# KiCad board panel.kicad_pcb (continued)
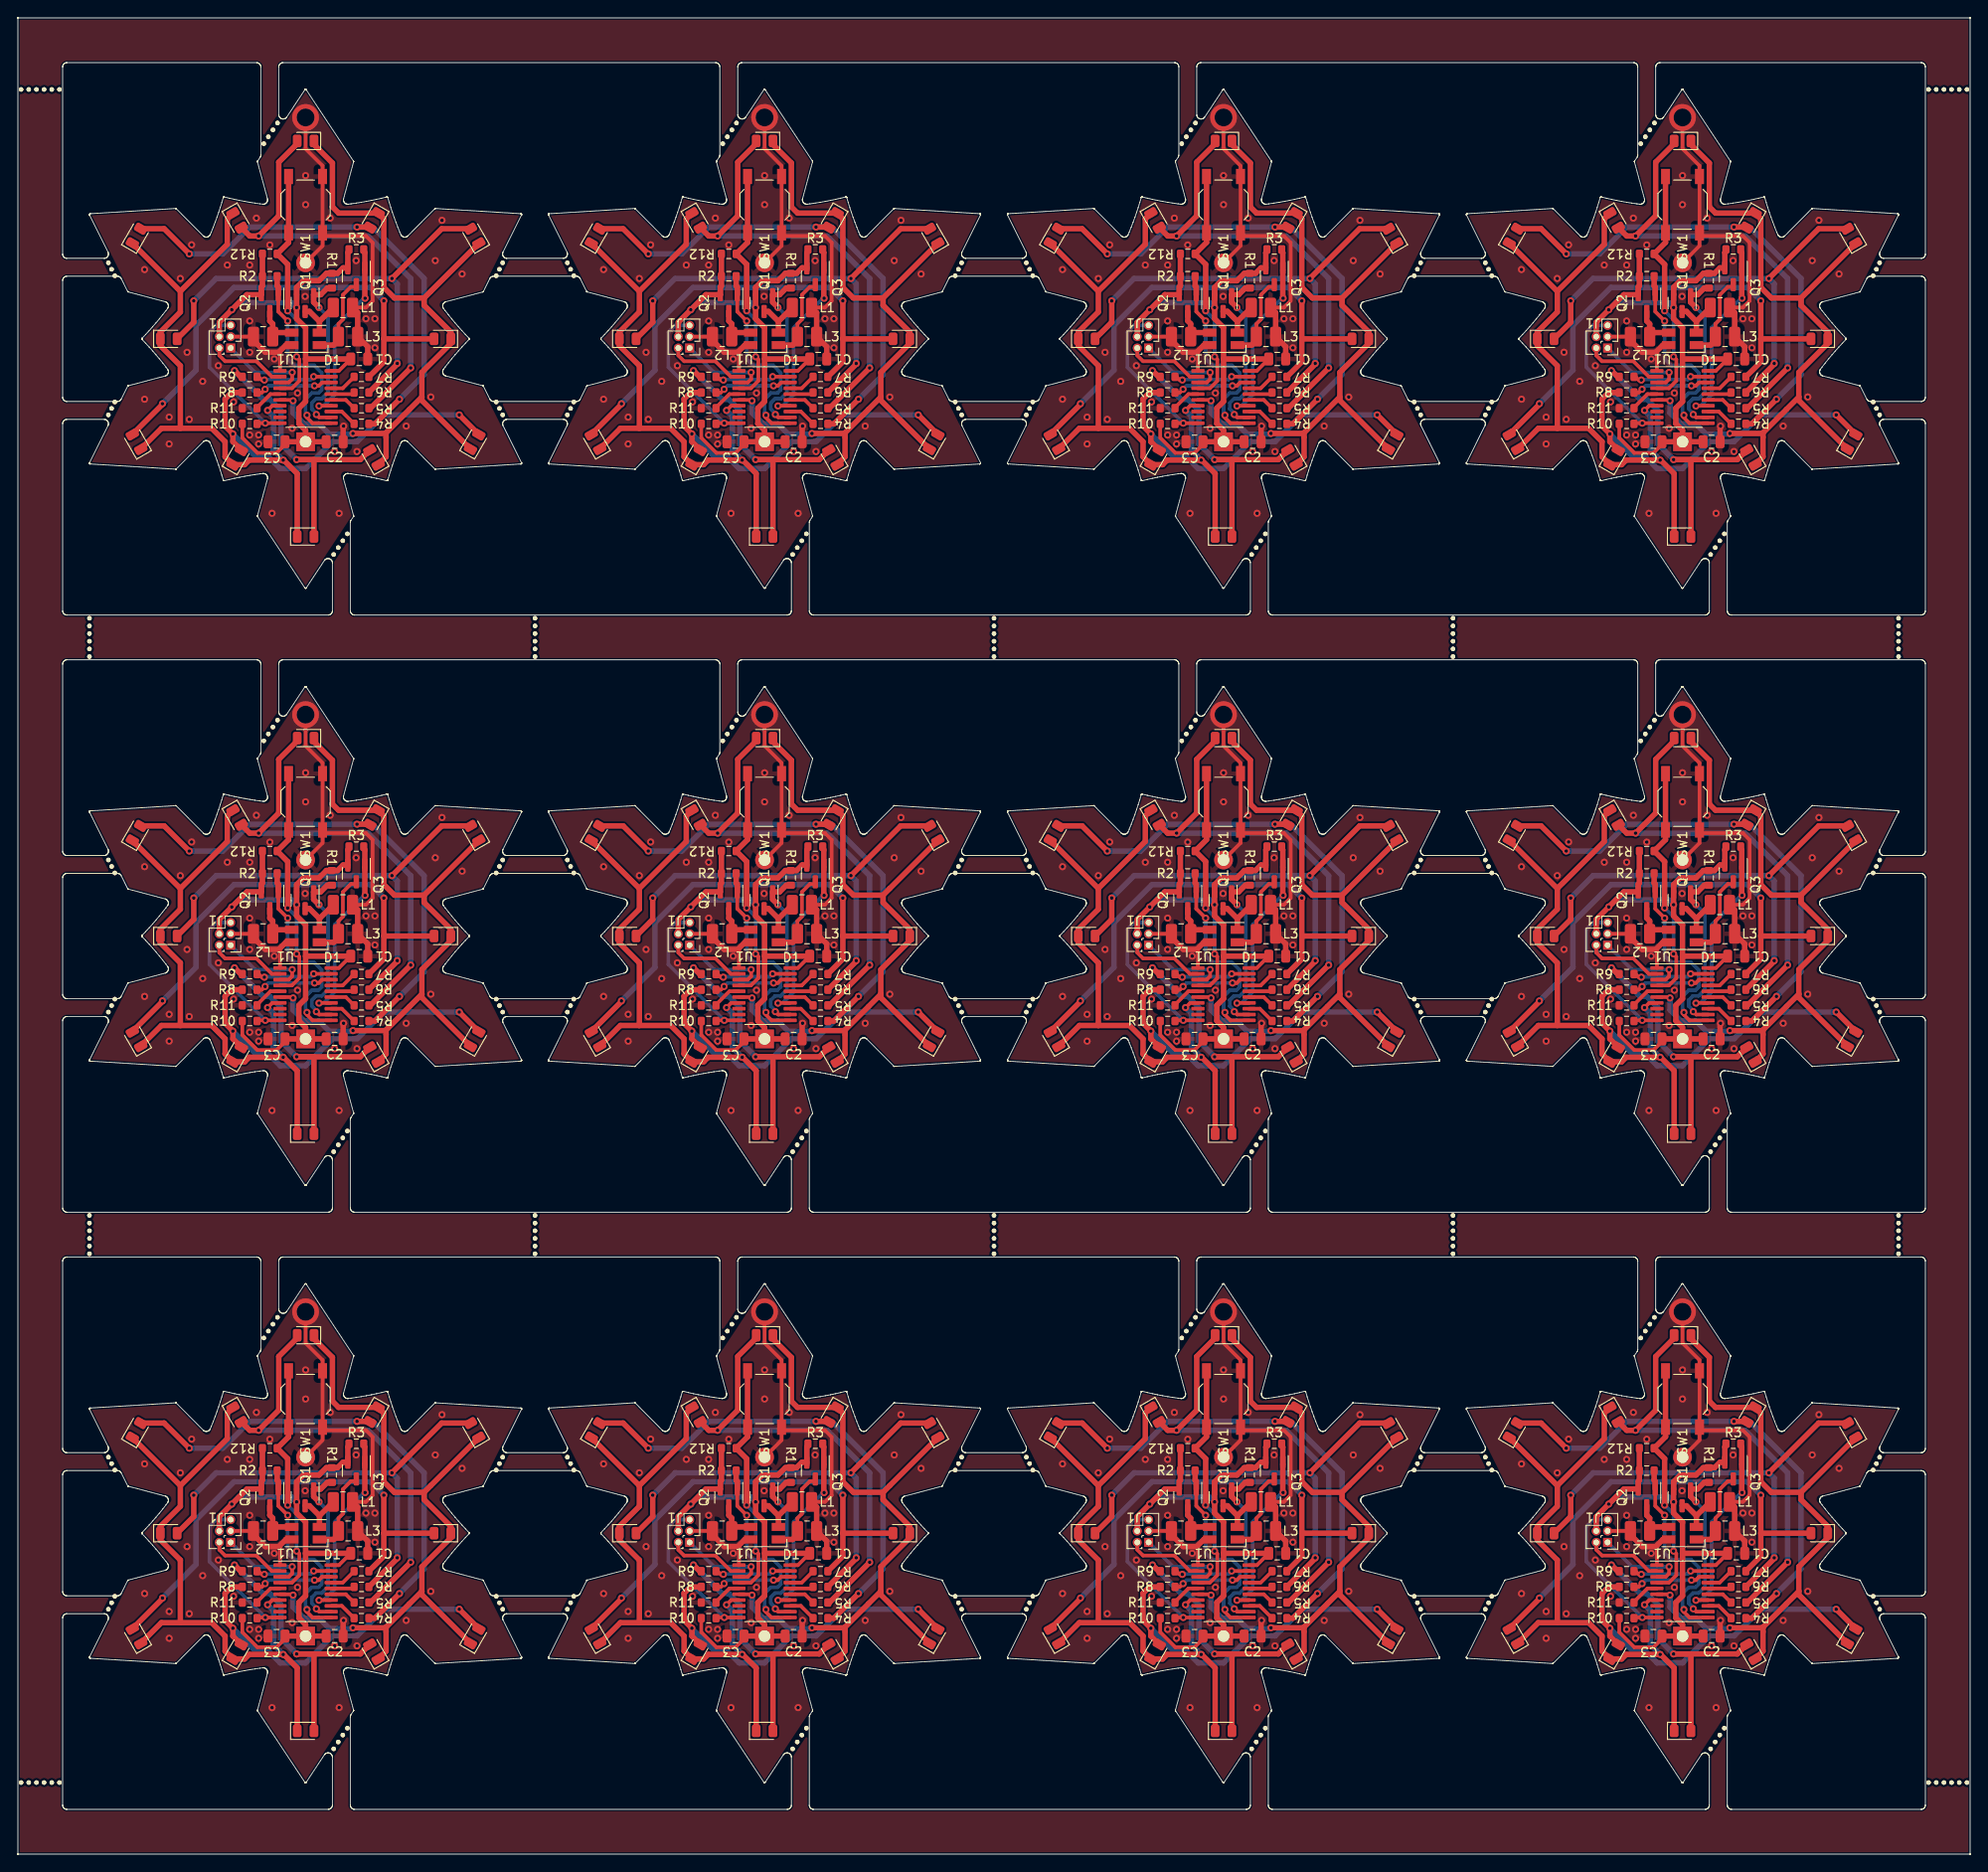
[diagram p0: board, top side]
## Routing (per net, layer and track width the routed paths; a pad name or vN(x,y) marks a point on that pad's centre or on a via; arc(x,y) is an arc through that point) (continued)
  Bottom w0.406: v1(84.97,39.38) 85.97,38.38 85.97,29.88 85.28,29.18 84.64,29.18 84.17,28.71 84.17,28.04 84.68,27.53 v1(84.68,27.42)
Board_9-/G: length 21.3
  Top w0.406: U1#8.14 85,28.4 v1(84.97,28.38) ; 90.04,43.63 90.1,43.56
  Top w0.61: v1(90.13,40.42) 90.1,40.45 90.1,45.5 89.97,45.63
  Bottom w0.406: v1(84.97,28.38) 85.47,28.38 86.72,29.63 86.72,37.13 90.02,40.42 v1(90.13,40.42)
Board_9-/L1: length 3.1
  Top w0.406: R4#2.2 87.52,27.75 U1#8.13
Board_9-/L2: length 2.9
  Top w0.406: R5#7.2 87.97,29.05 U1#8.15
Board_9-/L3: length 2.6
  Top w0.406: R6#11.2 88.72,29.7 U1#8.16
Board_9-/L4: length 3.1
  Top w0.406: R7#12.2 87.62,30.35 U1#8.17
Board_9-/L5: length 8.8
  Top w0.406: v1(78.95,30.24) 78.59,29.88 R8#6.2 ; v1(84.47,30.63) 84.95,30.63 85.32,31 U1#8.18
  Bottom w0.406: v1(84.47,30.63) 79.34,30.63 v1(78.95,30.24)
Board_9-/L6: length 8.6
  Top w0.406: U1#8.19 84.38,31.65 v1(84.38,31.65) ; v1(78.87,31.27) 78.58,31.27 78.22,31.63 R9#4.2
  Bottom w0.406: v1(78.87,31.27) 78.91,31.32 84.05,31.32 v1(84.38,31.65)
Board_9-/MPX1: length 81.4
  Top w0.406: U1#8.6 81.98,29.05 v1(82.07,28.96)
  Top w0.61: v1(88.77,25.3) 92.4,25.3 92.47,25.38 ; 96.72,40.44 93.4,40.44 92.22,41.63 92.22,49.31 D3#2.1 87.16,49.94 86.47,50.63 86.47,55.53 84.41,57.59 D5#2.1 ; 96.72,40.44 D7#3.1 ; 96.72,40.44 96.72,39.63 99.71,36.64 D9#11.1 99.71,35.36 96.47,32.13 96.47,29.38 ; 92.47,25.38 96.47,29.38 ; 92.47,25.38 92.47,22.69 D13#9.1 ; 96.47,29.38 96.47,28.99 D11#12.1
  Bottom w0.61: v1(82.07,28.96) 82.07,27.61 83.31,26.38 84.97,26.38 86.13,25.22 88.69,25.22 v1(88.77,25.3)
Board_9-/MPX2: length 72.8
  Top w0.406: v1(79.22,27.88) 79.75,28.4 U1#8.7
  Top w0.61: 69.47,41.19 74.72,46.44 74.72,49.31 D4#12.1 ; 69.47,41.19 69.47,38.88 67.24,36.64 D6#3.1 67.24,35.11 69.47,32.88 69.47,25.88 ; 69.47,41.19 D2#12.1 ; 69.47,25.88 72.97,25.88 74.47,24.38 74.47,22.69 D10#8.1 76.66,21.81 77.17,22.32 v1(80.97,22.32) 81.03,22.32 82.54,20.81 D12.1 ; 69.47,25.88 67.35,25.88 D8#12.1
  Bottom w0.61: v1(80.97,22.32) 79.88,23.42 79.88,27.22 v1(79.22,27.88)
Board_9-/nRST: length 18
  Top w0.406: R10#2.2 78.12,26.45 U1#8.10
  Bottom w0.406: v1(78.97,26.45) 72.72,32.7 72.72,36.63 73.49,37.39 J1.5
Board_9-/R: length 23.4
  Top w0.406: Q2#10.1 80.42,38.93 v1(81.47,37.88) ; v1(83.63,27.34) 83.63,27.07 84.25,26.45 U1#8.11
  Top w0.61: Q2#10.1 80.42,41.68 80.3,41.8 R2#8.2
  Bottom w0.406: v1(83.63,27.34) 83.63,27.5 83.47,27.65 83.47,29.13 84.17,29.82 84.92,29.82 85.28,30.18 85.28,32.07 84.42,32.93 82.17,32.93 81.47,33.63 v1(81.47,37.88)
Board_9-/SWC: length 10.3
  Top w0.406: v1(81.97,32.13) 81.97,31.38 81.6,31 U1#8.3
  Bottom w0.406: J1.1 77.82,32.13 v1(81.97,32.13)
Board_9-/SWD: length 8.6
  Top w0.406: J1.2 73.83,34.02 74.47,33.38 77.97,33.38 79.7,31.65 U1#8.2
Board_9-GND: length 51.4
  Top w0.406: v2(83.47,60.63) 83.47,57.13 85.37,55.23 SW1#12.2 SW1#12.2 ; 80.47,34.38 80.61,34.24 U1#8.1 ; SW1#12.2 85.37,46.28 BT1.2 ; SW1#12.2 85.72,47.38 90.22,47.38 90.97,46.63 90.97,40.13 90.22,39.38 L1#9.2 ; J1.3 77.64,36.12 L2#9.2
  Top w0.61: L1#9.2 89.3,38.8 L3#4.2 90.42,35 C1#3.1 ; L2#9.2 77.65,35.7 78.97,34.38 80.47,34.38 81.27,35.18 D1#9.1 ; v1(87.72,26.13) 87.67,26.08 C2#9.2
  vias: v1(65.47,43.63) v1(65.47,29.13) v1(68.22,27.13) v1(68.22,24.13) v1(69.47,42.63) v1(70.22,34.38) v1(70.47,26.88) v1(70.74,46.39) v1(71.97,31.13) v1(73.72,32.88) v1(74.72,44.13) v1(75.42,28.83) v1(77.22,44.13) v1(77.22,37.88) v1(77.22,34.38) v1(77.22,25.13) v1(77.97,49.38) v1(78.22,25.13) v1(78.22,24.13) v1(79.47,46.38) v1(79.72,16.38) v1(79.97,33.63) v1(81.97,25.88) v1(82.57,29.82) v1(83.42,40.63) v1(83.47,54.13) v1(83.47,50.88) v1(86.22,49.38) v1(86.72,23.28) v1(87.22,16.38) v1(89.12,44.63) v1(89.22,23.28) v1(90.22,38.13) v1(91.22,38.13) v1(91.22,34.88) v1(94.72,26.13) v1(97.47,29.38) v1(97.97,44.63) v1(98.72,49.13) v1(100.97,43.13)
Board_9-Net-(D1-BK): length 5.5
  Top w0.61: 85.02,37.83 83.91,38.94 Q1#5.3 ; 85.02,37.83 L1#9.1 ; 85.02,37.83 D1#9.4
Board_9-Net-(D1-GK): length 9.5
  Top w0.406: L3#4.1 87.15,37.55 87.65,38.05 87.65,40.8 88.54,41.69 89.15,41.69
  Top w0.61: L3#4.1 87.15,35.71 86.61,35.18 D1#9.3
Board_9-Net-(D1-RK): length 5.3
  Top w0.61: Q2#10.3 79.47,37.88 79.8,37.55 L2#9.1 80.25,36.58 D1#9.2
Board_9-Net-(D2-A): length 57
  Top w0.61: v1(93.97,29.13) 91.22,26.38 R4#2.1 ; v1(89.22,48.38) 90.59,48.38 D3#2.2 ; D2#12.2 67.66,48.19 v1(70.47,45.38)
  Bottom w0.61: v1(70.47,45.38) 74.22,45.38 77.22,48.38 v1(89.22,48.38) 90.97,48.38 96.72,42.63 96.72,31.88 94.03,29.18
Board_9-Net-(D4-A): length 50.2
  Top w0.61: R5#7.1 90.72,28.13 v1(95.22,32.63) ; D4#12.2 77.23,47.38 v1(78.22,47.38) 80.47,49.63 80.47,55.63 82.54,57.69 D5#2.2
  Bottom w0.61: v1(78.22,47.38) 90.47,47.38 95.22,42.63 v1(95.22,32.63)
Board_9-Net-(D6-A): length 53.6
  Top w0.61: v1(70.97,40.13) 70.97,37.74 D6#3.2 ; R6#11.1 93.72,33.05 v1(93.72,33.13) ; v1(93.13,42.63) 98.69,48.19 D7#3.2
  Bottom w0.61: v1(70.97,40.13) 73.47,42.63 v1(93.13,42.63) 93.72,42.03 v1(93.72,33.13)
Board_9-Net-(D8-A): length 53.3
  Top w0.61: D8#12.2 67.47,28.56 ; R7#12.1 92.22,33.3 92.22,35.88 ; D9#11.2 92.22,35.88 ; 92.22,35.88 v1(92.22,40.13)
  Bottom w0.61: v1(92.22,40.13) 90.72,41.63 75.47,41.63 71.22,37.38 71.22,32.38 v1(67.47,28.63)
Board_9-Net-(D10-A): length 41.2
  Top w0.61: D10#8.2 75.35,24.38 v1(75.35,25.25) 74.47,26.13 74.47,29.15 75.19,29.88 R8#6.1 ; v1(100.65,27.38) D11#12.2
  Bottom w0.61: v1(100.65,27.38) 92.22,27.38 89.24,24.4 86.49,24.4 83.47,21.38 80.64,21.38 79.39,22.63 77.97,22.63 v1(75.35,25.25)
Board_9-Net-(D12-A): length 33.6
  Top w0.61: v1(75.52,32.33) 76.22,31.63 R9#4.1 ; D12.2 84.41,22.38 v1(82.47,22.38) 89.59,22.38 D13#9.2
  Bottom w0.61: v1(82.47,22.38) 80.72,24.13 80.72,27.88 79.47,29.13 78.72,29.13 v1(75.52,32.33)
Board_9-Net-(SW1A-A): length 26.9
  Top w0.406: U1#8.4 81.95,30.35 82.78,31.18 82.78,33.57 v1(82.47,33.88)
  Top w0.61: v1(81.47,39.01) 81.47,44.2 R12#9.1 81.57,46.65 SW1#12.1 SW1#12.1
  Bottom w0.406: v1(81.47,39.01) 82.47,38.01 v1(82.47,33.88)
Board_9-Net-(U1-PB6/PF4-BOOT0): length 3.3
  Top w0.406: R11#10.2 78.05,28.2 79.55,29.7 U1#8.5
Board_9-VCC: length 67.1
  Top w0.406: C1#3.2 87.2,32.3 U1#8.20 ; C3#4.1 81.17,24.08 80.22,23.13 78.09,23.13 76.4,24.81 R10#2.1
  Top w0.61: 83.47,33.63 C1#3.2 ; 83.47,33.63 83.47,28.88 82.72,28.13 82.72,26.4 83.47,25.65 BT1.1 ; 83.47,33.63 83.47,37.13 82.47,38.13 Q1#5.2 82.47,41.63 83.22,42.38 84.97,42.38 85.8,43.2 R1#12.1 87.05,43.2 87.66,43.81 Q3#2.2 ; BT1.1 C2#9.1 ; BT1.1 C3#4.1 ; R12#9.2 R2#8.1 78.65,41.8 78.52,41.68 Q2#10.2 76.91,40.81 73.83,37.73 J1.4 ; 88.2,43.56 88.2,45.5 88.32,45.63
  Bottom w0.61: v1(75.22,39.13) 76.01,39.92 81.93,39.92 v1(82.47,39.38)
Board_10-/B: length 19.5
  Top w0.406: U1#10.12 136.31,27.1 v1(135.99,27.42)
  Top w0.61: R1#10.2 137.21,41.55 136.47,40.81 Q1#6.1 135.69,39.98 v1(136.29,39.38)
  Bottom w0.406: v1(135.99,27.42) 135.99,27.53 135.48,28.04 135.48,28.71 135.95,29.18 136.59,29.18 137.29,29.88 137.29,38.38 v1(136.29,39.38)
Board_10-/G: length 21.3
  Top w0.406: v1(136.29,28.38) 136.31,28.4 U1#10.14 ; 141.35,43.63 141.41,43.56
  Top w0.61: v1(141.44,40.42) 141.41,40.45 141.41,45.5 141.29,45.63
  Bottom w0.406: v1(136.29,28.38) 136.79,28.38 138.04,29.63 138.04,37.13 141.33,40.42 v1(141.44,40.42)
Board_10-/L1: length 3.1
  Top w0.406: U1#10.13 138.84,27.75 R4#7.2
Board_10-/L2: length 2.9
  Top w0.406: R5.2 139.29,29.05 U1#10.15
Board_10-/L3: length 2.6
  Top w0.406: R6#3.2 140.04,29.7 U1#10.16
Board_10-/L4: length 3.1
  Top w0.406: U1#10.17 138.94,30.35 R7#2.2
Board_10-/L5: length 8.8
  Top w0.406: U1#10.18 136.64,31 136.26,30.63 v1(135.79,30.63) ; v1(130.26,30.24) 129.9,29.88 R8#3.2
  Bottom w0.406: v1(135.79,30.63) 130.65,30.63 v1(130.26,30.24)
Board_10-/L6: length 8.6
  Top w0.406: U1#10.19 135.69,31.65 v1(135.69,31.65) ; R9#12.2 129.54,31.63 129.89,31.27 v1(130.18,31.27)
  Bottom w0.406: v1(130.18,31.27) 130.23,31.32 135.36,31.32 v1(135.69,31.65)
Board_10-/MPX1: length 81.4
  Top w0.406: U1#10.6 133.29,29.05 v1(133.39,28.96)
  Top w0.61: D5#3.1 135.72,57.59 137.79,55.53 137.79,50.63 138.47,49.94 D3#11.1 143.54,49.31 143.54,41.63 144.72,40.44 148.04,40.44 ; 147.79,29.38 143.79,25.38 ; 147.79,29.38 147.79,32.13 151.02,35.36 D9#12.1 151.02,36.64 148.04,39.63 148.04,40.44 ; 147.79,29.38 147.79,28.99 D11#2.1 ; 148.04,40.44 D7#8.1 ; 143.79,25.38 143.71,25.3 v1(140.09,25.3) ; 143.79,25.38 143.79,22.69 D13#10.1
  Bottom w0.61: v1(133.39,28.96) 133.39,27.61 134.62,26.38 136.29,26.38 137.44,25.22 140.01,25.22 v1(140.09,25.3)
Board_10-/MPX2: length 72.8
  Top w0.406: U1#10.7 131.06,28.4 v1(130.54,27.88)
  Top w0.61: 120.79,41.19 120.79,38.88 118.55,36.64 D6#12.1 118.55,35.11 120.79,32.88 120.79,25.88 ; 120.79,41.19 126.04,46.44 126.04,49.31 D4#4.1 ; 120.79,41.19 D2#2.1 ; 120.79,25.88 124.29,25.88 125.79,24.38 125.79,22.69 D10.1 127.97,21.81 128.48,22.32 v1(132.29,22.32) 132.34,22.32 133.85,20.81 D12#6.1 ; 120.79,25.88 118.67,25.88 D8#6.1
  Bottom w0.61: v1(132.29,22.32) 131.19,23.42 131.19,27.22 v1(130.54,27.88)
Board_10-/nRST: length 18
  Top w0.406: U1#10.10 129.44,26.45 R10#3.2
  Bottom w0.406: v1(130.29,26.45) 124.04,32.7 124.04,36.63 124.8,37.39 J1#10.5
Board_10-/R: length 23.4
  Top w0.406: v1(134.94,27.34) 134.94,27.07 135.56,26.45 U1#10.11 ; v1(132.79,37.88) 131.74,38.93 Q2#5.1
  Top w0.61: Q2#5.1 131.74,41.68 131.61,41.8 R2#10.2
  Bottom w0.406: v1(134.94,27.34) 134.94,27.5 134.79,27.65 134.79,29.13 135.48,29.82 136.23,29.82 136.59,30.18 136.59,32.07 135.73,32.93 133.48,32.93 132.79,33.63 v1(132.79,37.88)
Board_10-/SWC: length 10.3
  Top w0.406: v1(133.29,32.13) 133.29,31.38 132.91,31 U1#10.3
  Bottom w0.406: v1(133.29,32.13) 129.14,32.13 J1#10.1
Board_10-/SWD: length 8.6
  Top w0.406: J1#10.2 125.14,34.02 125.79,33.38 129.29,33.38 131.01,31.65 U1#10.2
Board_10-GND: length 51.4
  Top w0.406: BT1#2.2 136.69,46.28 SW1#8.2 ; L1#7.2 141.54,39.38 142.29,40.13 142.29,46.63 141.54,47.38 137.04,47.38 SW1#8.2 ; U1#10.1 131.92,34.24 131.79,34.38 ; J1#10.3 128.96,36.12 L2#4.2 ; SW1#8.2 SW1#8.2 136.69,55.23 134.79,57.13 v2(134.79,60.63)
  Top w0.61: L2#4.2 128.96,35.7 130.29,34.38 131.79,34.38 132.59,35.18 D1#3.1 ; L1#7.2 140.61,38.8 L3#12.2 141.74,35 C1#10.1 ; C2#8.2 138.99,26.08 v1(139.04,26.13)
  vias: v1(116.79,43.63) v1(116.79,29.13) v1(119.54,27.13) v1(119.54,24.13) v1(120.79,42.63) v1(121.54,34.38) v1(121.79,26.88) v1(122.05,46.39) v1(123.29,31.13) v1(125.04,32.88) v1(126.04,44.13) v1(126.74,28.83) v1(128.54,44.13) v1(128.54,37.88) v1(128.54,34.38) v1(128.54,25.13) v1(129.29,49.38) v1(129.54,25.13) v1(129.54,24.13) v1(130.79,46.38) v1(131.04,16.38) v1(131.29,33.63) v1(133.29,25.88) v1(133.88,29.82) v1(134.74,40.63) v1(134.79,54.13) v1(134.79,50.88) v1(137.54,49.38) v1(138.04,23.28) v1(138.54,16.38) v1(140.44,44.63) v1(140.53,23.28) v1(141.54,38.13) v1(142.54,38.13) v1(142.54,34.88) v1(146.04,26.13) v1(148.79,29.38) v1(149.29,44.63) v1(150.04,49.13) v1(152.29,43.13)
Board_10-Net-(D1-BK): length 5.5
  Top w0.61: Q1#6.3 135.22,38.94 136.34,37.83 ; D1#3.4 136.34,37.83 ; 136.34,37.83 L1#7.1
Board_10-Net-(D1-GK): length 9.5
  Top w0.406: 140.46,41.69 139.85,41.69 138.96,40.8 138.96,38.05 138.46,37.55 L3#12.1
  Top w0.61: L3#12.1 138.46,35.71 137.92,35.18 D1#3.3
Board_10-Net-(D1-RK): length 5.3
  Top w0.61: Q2#5.3 130.79,37.88 131.11,37.55 L2#4.1 131.56,36.58 D1#3.2
Board_10-Net-(D2-A): length 57
  Top w0.61: R4#7.1 142.54,26.38 v1(145.29,29.13) ; v1(121.79,45.38) 118.97,48.19 D2#2.2 ; D3#11.2 141.91,48.38 v1(140.54,48.38)
  Bottom w0.61: v1(121.79,45.38) 125.54,45.38 128.54,48.38 v1(140.54,48.38) 142.29,48.38 148.04,42.63 148.04,31.88 145.35,29.18
Board_10-Net-(D4-A): length 50.2
  Top w0.61: D4#4.2 128.54,47.38 v1(129.54,47.38) 131.79,49.63 131.79,55.63 133.85,57.69 D5#3.2 ; R5.1 142.04,28.13 v1(146.54,32.63)
  Bottom w0.61: v1(129.54,47.38) 141.79,47.38 146.54,42.63 v1(146.54,32.63)
Board_10-Net-(D6-A): length 53.6
  Top w0.61: v1(122.29,40.13) 122.29,37.74 D6#12.2 ; D7#8.2 150,48.19 v1(144.44,42.63) ; v1(145.04,33.13) 145.04,33.05 R6#3.1
  Bottom w0.61: v1(122.29,40.13) 124.79,42.63 v1(144.44,42.63) 145.04,42.03 v1(145.04,33.13)
Board_10-Net-(D8-A): length 53.3
  Top w0.61: 143.54,35.88 143.54,33.3 R7#2.1 ; 143.54,35.88 v1(143.54,40.13) ; 143.54,35.88 D9#12.2 ; D8#6.2 118.79,28.56
  Bottom w0.61: v1(118.79,28.63) 122.54,32.38 122.54,37.38 126.79,41.63 142.04,41.63 v1(143.54,40.13)
Board_10-Net-(D10-A): length 41.2
  Top w0.61: D10.2 126.66,24.38 v1(126.66,25.25) 125.79,26.13 125.79,29.15 126.51,29.88 R8#3.1 ; v1(151.97,27.38) D11#2.2
  Bottom w0.61: v1(151.97,27.38) 143.54,27.38 140.56,24.4 137.81,24.4 134.79,21.38 131.95,21.38 130.7,22.63 129.29,22.63 v1(126.66,25.25)
Board_10-Net-(D12-A): length 33.6
  Top w0.61: v1(126.84,32.33) 127.54,31.63 R9#12.1 ; D13#10.2 140.91,22.38 v1(133.79,22.38) 135.72,22.38 D12#6.2
  Bottom w0.61: v1(126.84,32.33) 130.04,29.13 130.79,29.13 132.04,27.88 132.04,24.13 v1(133.79,22.38)
Board_10-Net-(SW1A-A): length 26.9
  Top w0.406: v1(133.79,33.88) 134.09,33.57 134.09,31.18 133.26,30.35 U1#10.4
  Top w0.61: v1(132.79,39.01) 132.79,44.2 R12#11.1 132.89,46.65 SW1#8.1 SW1#8.1
  Bottom w0.406: v1(132.79,39.01) 133.79,38.01 v1(133.79,33.88)
Board_10-Net-(U1-PB6/PF4-BOOT0): length 3.3
  Top w0.406: U1#10.5 130.86,29.7 129.36,28.2 R11#11.2
Board_10-VCC: length 67.1
  Top w0.406: C3.1 132.49,24.08 131.54,23.13 129.4,23.13 127.71,24.81 R10#3.1 ; U1#10.20 138.51,32.3 C1#10.2
  Top w0.61: 134.79,33.63 134.79,28.88 134.04,28.13 134.04,26.4 134.79,25.65 BT1#2.1 ; 134.79,33.63 134.79,37.13 133.79,38.13 Q1#6.2 133.79,41.63 134.54,42.38 136.29,42.38 137.11,43.2 R1#10.1 138.36,43.2 138.97,43.81 Q3#9.2 ; 134.79,33.63 C1#10.2 ; 139.64,45.63 139.51,45.5 139.51,43.56 ; BT1#2.1 C2#8.1 ; BT1#2.1 C3.1 ; R12#11.2 R2#10.1 129.96,41.8 129.84,41.68 Q2#5.2 128.22,40.81 125.14,37.73 J1#10.4
  Bottom w0.61: v1(126.54,39.13) 127.33,39.92 133.25,39.92 v1(133.79,39.38)
Board_11-/B: length 19.5
  Top w0.406: v1(187.3,27.42) 187.62,27.1 U1#4.12
  Top w0.61: R1#9.2 188.52,41.55 187.79,40.81 Q1.1 187,39.98 v1(187.6,39.38)
  Bottom w0.406: v1(187.6,39.38) 188.6,38.38 188.6,29.88 187.9,29.18 187.27,29.18 186.79,28.71 186.79,28.04 187.3,27.53 v1(187.3,27.42)
Board_11-/G: length 21.3
  Top w0.406: U1#4.14 187.62,28.4 v1(187.6,28.38) ; 192.66,43.63 192.72,43.56
  Top w0.61: v1(192.75,40.42) 192.72,40.45 192.72,45.5 192.6,45.63
  Bottom w0.406: v1(192.75,40.42) 192.64,40.42 189.35,37.13 189.35,29.63 188.1,28.38 v1(187.6,28.38)
Board_11-/L1: length 3.1
  Top w0.406: U1#4.13 190.15,27.75 R4#4.2
Board_11-/L2: length 2.9
  Top w0.406: U1#4.15 190.6,29.05 R5#2.2
Board_11-/L3: length 2.6
  Top w0.406: R6#6.2 191.35,29.7 U1#4.16
Board_11-/L4: length 3.1
  Top w0.406: R7#6.2 190.25,30.35 U1#4.17
Board_11-/L5: length 8.8
  Top w0.406: U1#4.18 187.95,31 187.57,30.63 v1(187.1,30.63) ; v1(181.57,30.24) 181.21,29.88 R8#2.2
  Bottom w0.406: v1(187.1,30.63) 181.96,30.63 v1(181.57,30.24)
Board_11-/L6: length 8.6
  Top w0.406: R9#3.2 180.85,31.63 181.2,31.27 v1(181.49,31.27) ; U1#4.19 187,31.65 v1(187,31.65)
  Bottom w0.406: v1(181.49,31.27) 181.54,31.32 186.67,31.32 v1(187,31.65)
Board_11-/MPX1: length 81.4
  Top w0.406: U1#4.6 184.6,29.05 v1(184.7,28.96)
  Top w0.61: D7#7.1 199.35,40.44 ; D13.1 195.1,22.69 195.1,25.38 ; 199.35,40.44 196.03,40.44 194.85,41.63 194.85,49.31 D3#10.1 189.79,49.94 189.1,50.63 189.1,55.53 187.04,57.59 D5#11.1 ; 199.35,40.44 199.35,39.63 202.34,36.64 D9#7.1 202.34,35.36 199.1,32.13 199.1,29.38 ; 195.1,25.38 199.1,29.38 ; 195.1,25.38 195.02,25.3 v1(191.4,25.3) ; 199.1,29.38 199.1,28.99 D11#9.1
  Bottom w0.61: v1(191.4,25.3) 191.32,25.22 188.75,25.22 187.6,26.38 185.93,26.38 184.7,27.61 v1(184.7,28.96)
Board_11-/MPX2: length 72.8
  Top w0.406: v1(181.85,27.88) 182.37,28.4 U1#4.7
  Top w0.61: 172.1,25.88 172.1,32.88 169.86,35.11 D6#2.1 169.86,36.64 172.1,38.88 172.1,41.19 ; 172.1,25.88 175.6,25.88 177.1,24.38 177.1,22.69 D10#9.1 179.29,21.81 179.8,22.32 v1(183.6,22.32) 183.65,22.32 185.16,20.81 D12#12.1 ; 172.1,25.88 169.98,25.88 D8.1 ; 172.1,41.19 177.35,46.44 177.35,49.31 D4#8.1 ; 172.1,41.19 D2#10.1
  Bottom w0.61: v1(181.85,27.88) 182.5,27.22 182.5,23.42 v1(183.6,22.32)
Board_11-/nRST: length 18
  Top w0.406: U1#4.10 180.75,26.45 R10#5.2
  Bottom w0.406: J1#7.5 176.11,37.39 175.35,36.63 175.35,32.7 v1(181.6,26.45)
Board_11-/R: length 23.4
  Top w0.406: U1#4.11 186.87,26.45 186.25,27.07 v1(186.25,27.34) ; v1(184.1,37.88) 183.05,38.93 Q2#7.1
  Top w0.61: R2#7.2 182.92,41.8 183.05,41.68 Q2#7.1
  Bottom w0.406: v1(186.25,27.34) 186.25,27.5 186.1,27.65 186.1,29.13 186.79,29.82 187.54,29.82 187.9,30.18 187.9,32.07 187.04,32.93 184.79,32.93 184.1,33.63 v1(184.1,37.88)
Board_11-/SWC: length 10.3
  Top w0.406: U1#4.3 184.22,31 184.6,31.38 v1(184.6,32.13)
  Bottom w0.406: v1(184.6,32.13) 180.45,32.13 J1#7.1
Board_11-/SWD: length 8.6
  Top w0.406: J1#7.2 176.45,34.02 177.1,33.38 180.6,33.38 182.32,31.65 U1#4.2
Board_11-GND: length 51.4
  Top w0.406: J1#7.3 180.27,36.12 L2#7.2 ; v2(186.1,60.63) 186.1,57.13 188,55.23 SW1#11.2 SW1#11.2 ; 183.1,34.38 183.24,34.24 U1#4.1 ; SW1#11.2 188,46.28 BT1#9.2 ; SW1#11.2 188.35,47.38 192.85,47.38 193.6,46.63 193.6,40.13 192.85,39.38 L1#10.2
  Top w0.61: D1#4.1 183.9,35.18 183.1,34.38 181.6,34.38 180.27,35.7 L2#7.2 ; L1#10.2 191.92,38.8 L3#8.2 193.05,35 C1#9.1 ; v1(190.35,26.13) 190.3,26.08 C2#12.2
  vias: v1(168.1,43.63) v1(168.1,29.13) v1(170.85,27.13) v1(170.85,24.13) v1(172.1,42.63) v1(172.85,34.38) v1(173.1,26.88) v1(173.36,46.39) v1(174.6,31.13) v1(176.35,32.88) v1(177.35,44.13) v1(178.05,28.83) v1(179.85,44.13) v1(179.85,37.88) v1(179.85,34.38) v1(179.85,25.13) v1(180.6,49.38) v1(180.85,25.13) v1(180.85,24.13) v1(182.1,46.38) v1(182.35,16.38) v1(182.6,33.63) v1(184.6,25.88) v1(185.19,29.82) v1(186.05,40.63) v1(186.1,54.13) v1(186.1,50.88) v1(188.85,49.38) v1(189.35,23.28) v1(189.85,16.38) v1(191.75,44.63) v1(191.85,23.28) v1(192.85,38.13) v1(193.85,38.13) v1(193.85,34.88) v1(197.35,26.13) v1(200.1,29.38) v1(200.6,44.63) v1(201.35,49.13) v1(203.6,43.13)
Board_11-Net-(D1-BK): length 5.5
  Top w0.61: D1#4.4 187.65,37.83 ; 187.65,37.83 L1#10.1 ; 187.65,37.83 186.54,38.94 Q1.3
Board_11-Net-(D1-GK): length 9.5
  Top w0.406: 191.77,41.69 191.16,41.69 190.27,40.8 190.27,38.05 189.77,37.55 L3#8.1
  Top w0.61: D1#4.3 189.24,35.18 189.77,35.71 L3#8.1
Board_11-Net-(D1-RK): length 5.3
  Top w0.61: Q2#7.3 182.1,37.88 182.42,37.55 L2#7.1 182.87,36.58 D1#4.2
Board_11-Net-(D2-A): length 57
  Top w0.61: v1(173.1,45.38) 170.29,48.19 D2#10.2 ; v1(196.6,29.13) 193.85,26.38 R4#4.1 ; v1(191.85,48.38) 193.22,48.38 D3#10.2
  Bottom w0.61: v1(173.1,45.38) 176.85,45.38 179.85,48.38 v1(191.85,48.38) 193.6,48.38 199.35,42.63 199.35,31.88 196.66,29.18
Board_11-Net-(D4-A): length 50.2
  Top w0.61: D5#11.2 185.16,57.69 183.1,55.63 183.1,49.63 v1(180.85,47.38) 179.85,47.38 D4#8.2 ; R5#2.1 193.35,28.13 v1(197.85,32.63)
  Bottom w0.61: v1(180.85,47.38) 193.1,47.38 197.85,42.63 v1(197.85,32.63)
Board_11-Net-(D6-A): length 53.6
  Top w0.61: D6#2.2 173.6,37.74 v1(173.6,40.13) ; v1(196.35,33.13) 196.35,33.05 R6#6.1 ; v1(195.75,42.63) 201.31,48.19 D7#7.2
  Bottom w0.61: v1(173.6,40.13) 176.1,42.63 v1(195.75,42.63) 196.35,42.03 v1(196.35,33.13)
Board_11-Net-(D8-A): length 53.3
  Top w0.61: D8.2 170.1,28.56 ; R7#6.1 194.85,33.3 194.85,35.88 ; D9#7.2 194.85,35.88 ; 194.85,35.88 v1(194.85,40.13)
  Bottom w0.61: v1(170.1,28.63) 173.85,32.38 173.85,37.38 178.1,41.63 193.35,41.63 v1(194.85,40.13)
Board_11-Net-(D10-A): length 41.2
  Top w0.61: R8#2.1 177.82,29.88 177.1,29.15 177.1,26.13 v1(177.97,25.25) 177.97,24.38 D10#9.2 ; v1(203.28,27.38) D11#9.2
  Bottom w0.61: v1(177.97,25.25) 180.6,22.63 182.02,22.63 183.27,21.38 186.1,21.38 189.12,24.4 191.87,24.4 194.85,27.38 v1(203.28,27.38)
Board_11-Net-(D12-A): length 33.6
  Top w0.61: D12#12.2 187.04,22.38 v1(185.1,22.38) 192.22,22.38 D13.2 ; R9#3.1 178.85,31.63 v1(178.15,32.33)
  Bottom w0.61: v1(178.15,32.33) 181.35,29.13 182.1,29.13 183.35,27.88 183.35,24.13 v1(185.1,22.38)
Board_11-Net-(SW1A-A): length 26.9
  Top w0.406: U1#4.4 184.57,30.35 185.4,31.18 185.4,33.57 v1(185.1,33.88)
  Top w0.61: SW1#11.1 SW1#11.1 184.2,46.65 R12.1 184.1,44.2 v1(184.1,39.01)
  Bottom w0.406: v1(184.1,39.01) 185.1,38.01 v1(185.1,33.88)
Board_11-Net-(U1-PB6/PF4-BOOT0): length 3.3
  Top w0.406: R11#12.2 180.67,28.2 182.17,29.7 U1#4.5
Board_11-VCC: length 67.1
  Top w0.406: C1#9.2 189.82,32.3 U1#4.20 ; C3#7.1 183.8,24.08 182.85,23.13 180.71,23.13 179.02,24.81 R10#5.1
  Top w0.61: BT1#9.1 C3#7.1 ; BT1#9.1 186.1,25.65 185.35,26.4 185.35,28.13 186.1,28.88 186.1,33.63 ; BT1#9.1 C2#12.1 ; 190.82,43.56 190.82,45.5 190.95,45.63 ; 186.1,33.63 C1#9.2 ; 186.1,33.63 186.1,37.13 185.1,38.13 Q1.2 185.1,41.63 185.85,42.38 187.6,42.38 188.42,43.2 R1#9.1 189.67,43.2 190.29,43.81 Q3#12.2 ; J1#7.4 176.45,37.73 179.54,40.81 Q2#7.2 181.15,41.68 181.27,41.8 R2#7.1 R12.2
  Bottom w0.61: v1(185.1,39.38) 184.56,39.92 178.64,39.92 v1(177.85,39.13)

## Copper pours and planes (outline as drawn; the poured copper is in the pictures)
(no net) on Top: 0.01,0 218.24,0 218.25,0.01 218.25,205.26 218.24,205.27 0.01,205.27 0,205.26 0,0.01 ; 12 cut-outs
(no net) on Bottom: 0.01,0 218.24,0 218.25,0.01 218.25,205.26 218.24,205.27 0.01,205.27 0,205.26 0,0.01 ; 12 cut-outs
Board_0-GND on Top, Bottom: 1.86,209.22 61.86,209.22 61.86,129.22 1.86,129.22
Board_1-GND on Top, Bottom: 53.17,209.22 113.17,209.22 113.17,129.22 53.17,129.22
Board_2-GND on Top, Bottom: 104.49,209.22 164.49,209.22 164.49,129.22 104.49,129.22
Board_3-GND on Top, Bottom: 155.8,209.22 215.8,209.22 215.8,129.22 155.8,129.22
Board_4-GND on Top, Bottom: 1.86,142.46 61.86,142.46 61.86,62.46 1.86,62.46
Board_5-GND on Top, Bottom: 53.17,142.46 113.17,142.46 113.17,62.46 53.17,62.46
Board_6-GND on Top, Bottom: 104.49,142.46 164.49,142.46 164.49,62.46 104.49,62.46
Board_7-GND on Top, Bottom: 155.8,142.46 215.8,142.46 215.8,62.46 155.8,62.46
Board_8-GND on Top, Bottom: 1.86,75.71 61.86,75.71 61.86,-4.29 1.86,-4.29
Board_9-GND on Top, Bottom: 53.17,75.71 113.17,75.71 113.17,-4.29 53.17,-4.29
Board_10-GND on Top, Bottom: 104.49,75.71 164.49,75.71 164.49,-4.29 104.49,-4.29
Board_11-GND on Top, Bottom: 155.8,75.71 215.8,75.71 215.8,-4.29 155.8,-4.29

## Text on the board
B.Silkscreen: PCB by Kristóf | Vesztettem | Warranty void if / you can read this.
